# Allegro board AWR1243BOOST-Rev-A.brd (continued)
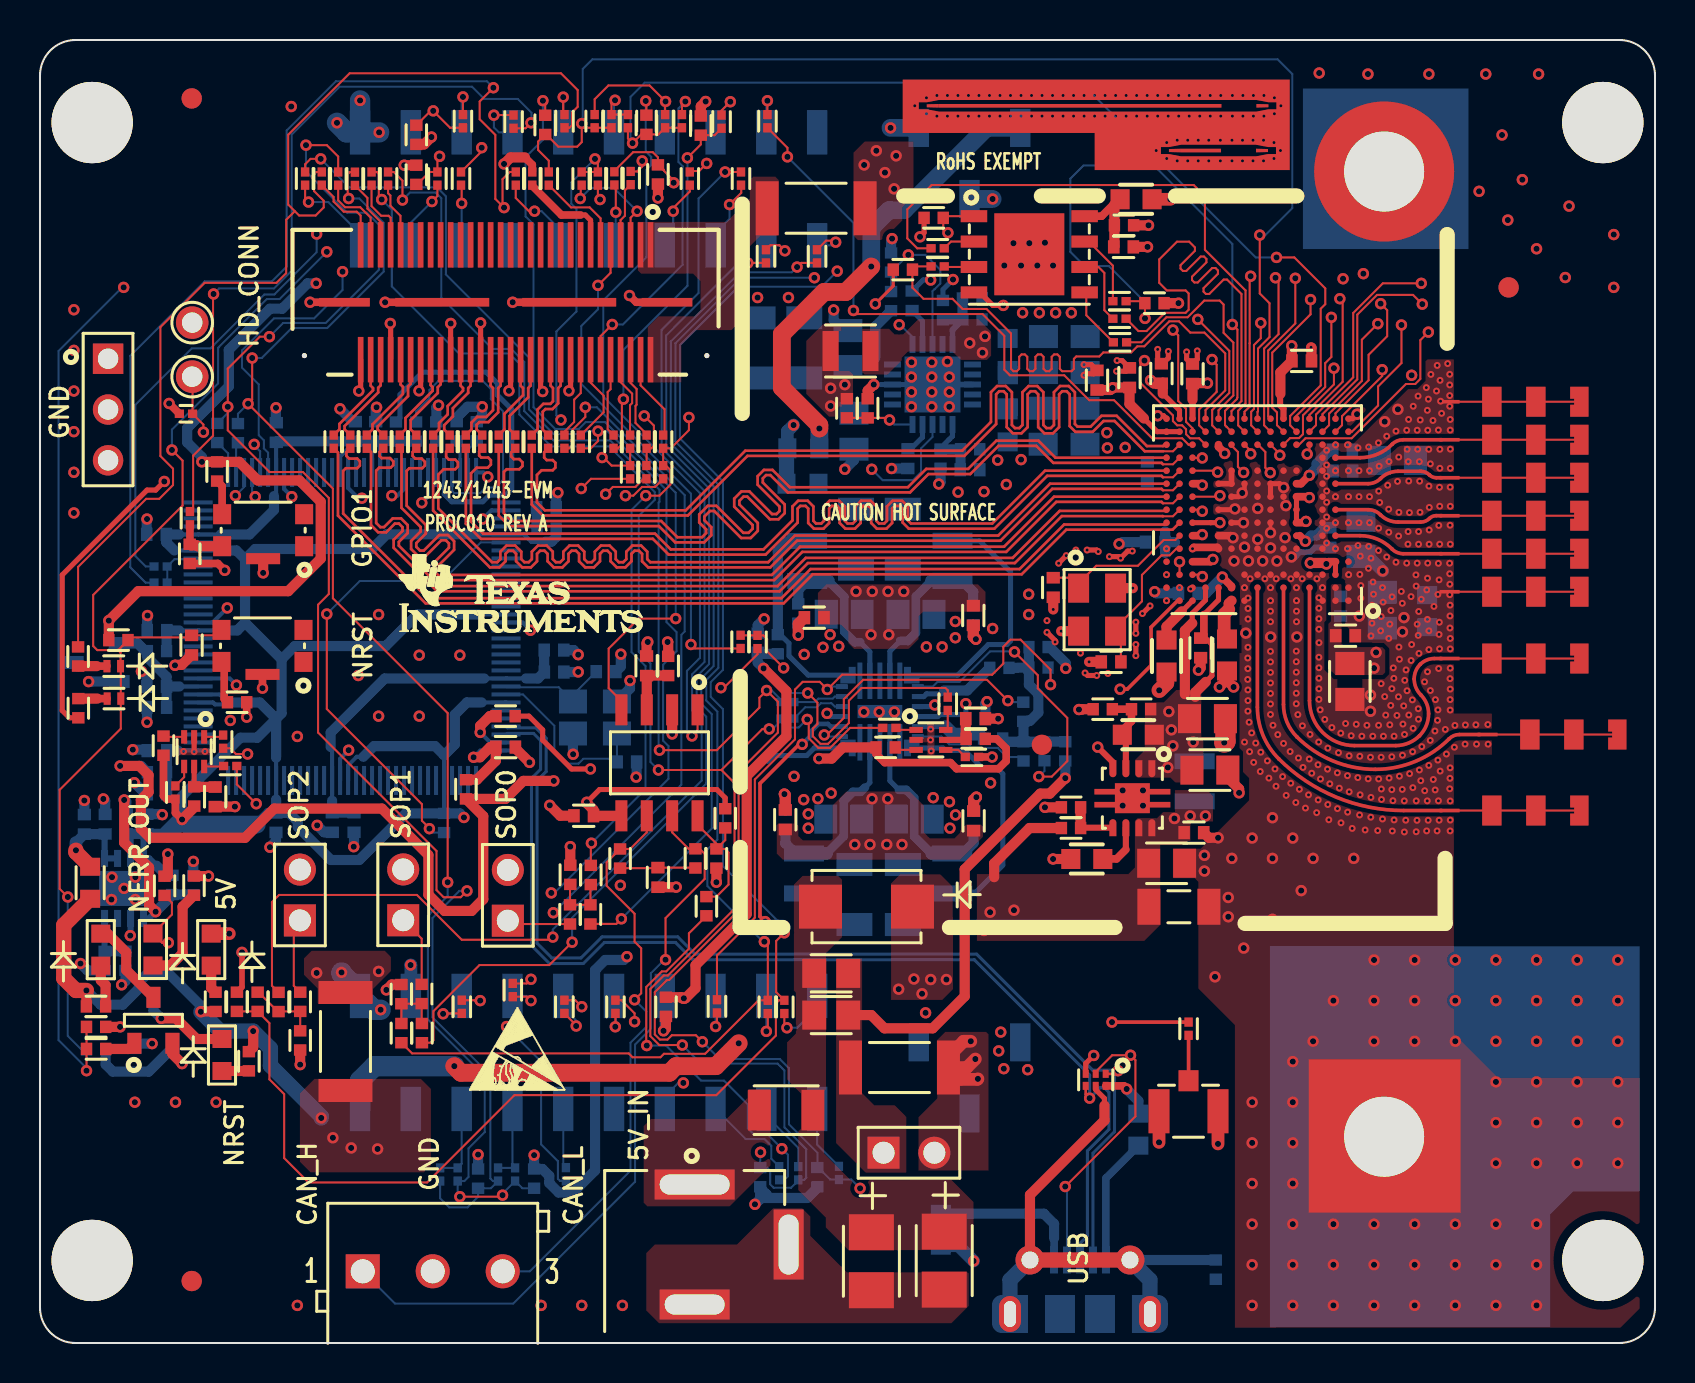
[diagram p0: board, top side]
## Nets (continued)
UNNAMED_25_P87524BRNFRQ1ES22P_4: R146.2 U8.5(SCL)
UNNAMED_25_P87524BRNFRQ1ES22P_5: R144.2 U8.6(SDA)
UNNAMED_25_P87524BRNFRQ1ES22PRE: R148.1 U8.15(EN2)
UNNAMED_33_CAPNONPOLARIZED_I75_: C16.2 R78.1 U3.3(VCC)
UNNAMED_33_CAPNONPOLARIZED_I77_: C24.2 R85.1 R87.2
UNNAMED_33_OSTTE030161_I26_1: J3.1 R85.2 U3.7(CANH)
UNNAMED_33_OSTTE030161_I26_3: J3.3 R87.1 U3.6(CANL)
UNNAMED_33_RESISTOR_I42_1: R86.1 R177.1 R178.2 U3.8(STB)
UNNAMED_34_1050170001_I95_1: J8.1 R161.1
UNNAMED_34_1050170001_I95_5: J8.5 R175.2
UNNAMED_34_1050170001_I95_G1: J8.G1 J8.G2 J8.G3 J8.G4 R174.2 U10.5(IO4)
UNNAMED_34_CAPNONPOLARIZED_I11_: C78.1 R156.1 R157.2 U9.5(FB)
UNNAMED_34_CAPNONPOLARIZED_I75_: C79.2 C80.2 R176.1 U9.1(IN1) U9.2(IN2)
UNNAMED_35_CAPNONPOLARIZED_I121: C49.2 R134.1 U6.68(VBAT)
UNNAMED_35_CAPNONPOLARIZED_I122: C70.2 U6.89(OSC1) Y2.3
UNNAMED_35_CAPNONPOLARIZED_I123: C63.2 U6.88(OSC0) Y2.1
UNNAMED_35_CAPNONPOLARIZED_I137: C71.2 R154.1 U6.96(PB1)
UNNAMED_35_CAPNONPOLARIZED_I139: C66.2 C67.2 R140.1 U6.9(VREFA+) U7.1(C)
UNNAMED_35_RESISTOR_I24_2: R125.2 U6.59(RBIAS)
UNNAMED_35_RESISTOR_I29_1: R155.1 U6.70(RST*)
UNNAMED_35_RESISTOR_I77_1: R126.1 U6.62(PK5)
UNNAMED_35_RESISTOR_I78_1: R127.1 U6.60(PK7)
UNNAMED_35_RESISTOR_I79_1: R124.1 U6.61(PK6)
UNNAMED_35_RESISTOR_I80_1: R123.1 U6.63(PK4)
UNNAMED_35_RESISTOR_I83_1: R152.1 U6.95(PB0)
UNNAMED_35_RESISTOR_I124_2: R128.2 U6.33(PA0)
UNNAMED_35_RESISTOR_I125_2: R129.2 U6.34(PA1)
UNNAMED_35_RESISTOR_I138_2: R135.2 R136.2 U6.25(PC4)
UNNAMED_37_RESISTOR_I1_1: R179.1 U11.3(ALERT)
UNNAMED_37_RESISTOR_I2_2: R180.2 U11.1(SCL)
UNNAMED_37_RESISTOR_I6_2: R181.2 U11.4(ADD0)
UNNAMED_37_RESISTOR_I7_1: R182.1 U11.6(SDA)
UNNAMED_37_RESISTOR_I8_1: C84.2 R183.1 U11.5(V+)
UNNAMED_37_RESISTOR_I9_1: R184.1 U12.3(ALERT)
UNNAMED_37_RESISTOR_I10_2: R185.2 U12.1(SCL)
UNNAMED_37_RESISTOR_I13_1: R186.1 U12.6(SDA)
UNNAMED_37_RESISTOR_I14_1: C85.2 R187.1 U12.5(V+)
UNNAMED_37_RESISTOR_I15_1: R188.1 U12.4(ADD0)
XDSET_1_DM: J8.2 U6.93(PL7) U10.1(IO1)
XDSET_1_DP: J8.3 U6.94(PL6) U10.4(IO3)
XDSET_1_ID: J8.4 R152.2 U10.2(IO2)
XDSET_1_VBUS: R151.1 R154.2 R161.2 U10.6(VCC)
XDSET_TCK: R70.2 U6.35(PA2)
XDSET_TDI: R30.2 U6.38(PA5)
XDSET_TDO: R71.2 U6.37(PA4)
XDSET_TMS: R69.2 U6.36(PA3)

Pads without a net: J1 15 17 19 21 23 25 27 29 31 33 35 37 39 41 43 45 47 49; J5 4 7 20; J6 3 11; NOREF#34 1; NOREF#80 1; NOREF#106 1; NOREF#109 1; NOREF#128 1; NOREF#131 1; NOREF#147 1; NOREF#148 1; NOREF#149 1; SW1 1 3; SW2 1 3; U2 B15 D1 D15; U5 9 17; U6 2 3 4 5 6 11 12 13 14 15 18 19 20 21 22 23 24 27 29 30 31 32 41 42 43 44 45 46 49 50 53 54 56 57 65 67 71 72 73 74 75 76 77 78 81 82 83 84 85 86 91 92 97 98 99 100 102 103 104 105 106 107 108 109 110 111 112 116 117 118 119 120 121 123 124 125 126 127 128; U7 3; U9 7

## Via types
v1: diameter 0.569, hole 0.31, TOP to BOTTOM, 635 vias
v2: diameter 0.35, hole 0.15, TOP to L2, 510 vias

## Routing (per net, layer and track width the routed paths; a pad name or vN(x,y) marks a point on that pad's centre or on a via; arc(x,y) is an arc through that point)
3V3_BRD: length 165.1
  TOP w0.381: R183.2 47.85,30.21 48.32,29.73 48.32,29.1 47.94,28.71 45.84,28.71 45.54,29.02 42.25,29.02 41.81,29.45 R179.2 ; v1(7.11,26.17) 6.77,26.51 R188.2 6.34,27.2 6.18,27.36 R184.2
  TOP w0.508: v1(7.11,26.17) 7.71,26.78 R187.2 ; v1(38.96,29.22) 39.59,29.22 40.15,29.78 R179.2
  L3 w0.508: v1(21.2,26.28) 23.36,28.44 23.36,29.4 24.23,30.27 27.17,30.27 28.99,28.45 28.99,27.94 30.07,26.86 34.97,26.86 37.31,29.2 38.93,29.2 v1(38.96,29.22)
  BOTTOM w0.203: U6.8 8.99,32.43 9.32,32.1 9.32,32.03 9.22,31.93 8.76,31.93 8.66,32.03 U6.7 ; 22.09,32.03 23.31,32.03 U6.90 ; 11.81,45.03 U6.39 11.81,42.45 ; C42.2 15.01,44.32 U6.47 ; U6.79 21.94,36.43 ; 11.81,27.17 U6.122 11.81,29.27 ; U6.52 17.01,44.87 C41.2 16.61,44.9 U6.51 ; 9.05,40.43 U6.28 6.96,40.43 ; U6.113 15.41,28.88 15.84,29.31 16.17,29.31 ; 20.21,26.48 U6.101 20.21,29.39 ; 21.84,40.44 21.85,40.43 U6.69 24.21,40.43 24.58,40.05 25.29,40.05 ; 6.96,35.63 U6.16 9.02,35.63 ; 9.08,39.63 U6.26 6.72,39.63
  BOTTOM w0.213: 20.21,26.48 R155.2 ; 11.81,45.03 C43.2 ; 25.29,40.05 25.3,40.07 ; 11.81,42.45 11.7,42.34
  BOTTOM w0.305: 5.84,23.86 5.47,24.23 U9.4 5.18,25.27 5.37,25.46 ; U9.3 4.53,25.24 C78.2
  BOTTOM w0.508: 9.32,32.03 10.99,32.03 11.81,31.21 ; 16.17,29.31 16.71,29.85 19.75,29.85 20.21,29.39 20.75,29.93 20.75,31.42 21.36,32.03 22.09,32.03 ; 9.08,39.63 9.82,39.63 10.26,39.19 ; C76.2 11.43,26.51 10.84,25.92 ; C76.2 12.45,26.51 12.9,26.06 12.9,25.81 14.55,24.15 15.97,24.15 18.3,26.48 R155.2 21,26.48 v1(21.2,26.28) ; C76.2 11.81,26.52 11.81,27.17 ; R134.2 25.81,40.3 25.58,40.07 25.3,40.07 ; 11.81,29.27 11.81,31.21 ; 11.81,31.21 12.08,31.49 12.08,34.19 ; 11.81,31.21 10.86,30.26 10.03,30.26 7.11,27.34 v1(7.11,26.17) ; 9.02,35.63 9.87,35.63 10.26,36.02 ; 10.26,39.19 10.76,39.7 16.61,39.7 17.34,40.44 21.84,40.44 ; 10.26,39.19 10.26,36.02 ; R156.2 6.32,23.38 5.84,23.86 ; 12.08,34.19 12.74,34.85 17.29,34.85 18.87,36.43 21.94,36.43 ; 12.08,34.19 10.26,36.02 ; R140.2 6.33,35.61 C61.2 6.35,35.63 6.96,35.63 ; 9.05,40.43 10.47,40.43 11.7,41.66 11.7,42.34 ; 6.96,40.43 6.32,40.43 C50.2 6.32,40.03 6.72,39.63 ; R124.2 R127.2 16.8,45.1 C41.2 C42.2 11.87,45.09 C43.2 ; 6.39,25.46 C77.2 C78.2
  BOTTOM w0.889: 10.84,25.92 7.36,25.92 v1(7.11,26.17) 6.39,25.46
3V3_MON_XDS_1: length 2.7
  BOTTOM w0.305: U9.8 R159.2
  BOTTOM w0.508: R159.2 4.27,19.59 R158.2
5V_IN: length 46.9
  TOP w0.508: R78.2 31.42,35.05 v1(31.39,35.05) ; v1(10.66,15.6) 10.66,14.78 R117.2 ; v1(51.28,28.24) 50.5,27.47 50.03,27.47 46.25,23.69 46.25,17.34 44.65,15.74 42.23,15.74 41.57,16.4 FB1.2 ; v1(2.32,17.63) R103.2 ; v1(8.05,16.56) 8.1,16.56 8.1,16.58 R100.2
  TOP w0.762: R176.2 1.19,20.89 1.19,18.24 1.8,17.63 v1(2.32,17.63)
  BOTTOM w0.508: v1(2.32,17.63) 3.03,16.92 4.13,16.92 4.95,17.73 4.95,18.04 5.45,18.55 6.36,18.55 8.05,16.87 v1(8.05,16.56) ; R149.2 51.28,28.25 v1(51.28,28.24)
  BOTTOM w0.762: v1(14.07,11.25) 14.07,11.33 11.53,13.87 11.53,14.73 v1(10.66,15.6) 9.01,15.6 v1(8.05,16.56)
  vias: v1(14.65,10.26) v1(15.56,9.75) v1(16.88,9.7) v1(41.22,58.9) v1(41.83,59.61) v1(42.26,58.52) v1(42.72,57.71) v1(42.82,59.36)
5V_UNREG: length 8.5
  TOP w0.635: R118.2 45.43,14.33 46.2,15.09 v1(46.55,15.09) ; R118.2 46.03,13.18 46.88,13.18 v1(46.91,13.21) ; R118.2 46.36,13.77 v1(46.78,14.2)
  BOTTOM w0.254: U8.18 44.9,31.32 45,31.42 46.11,31.42 C68.2 v1(46.3,31.97)
  vias: v1(38.2,27.17) v1(38.42,26.45) v1(38.42,25.74) v1(38.91,27.22) v1(39.16,34.79) v1(39.52,35.42) v1(39.57,27.5) v1(39.95,34.84) v1(44.33,34.81) v1(44.67,27.27) v1(45.12,34.81) v1(45.49,27.06) v1(45.51,25.74) v1(45.78,36.08) v1(45.78,35.26) v1(45.79,26.4)
+3.3VD: length 238.6
  TOP w0.152: v1(41.78,51.96) 42.68,52.85 R43.2
  TOP w0.254: R38.2 44.22,55.51 v1(44.01,55.31) ; v1(27.35,27.04) 27.98,27.67 33.85,27.67 34.27,27.25 R178.1
  TOP w0.305: 57.64,47.17 57.64,47.17 U2.R13
  TOP w0.508: v1(58.39,47.99) 57.66,47.99 C5.2 57.64,47.17 ; v1(8.1,44.06) R68.2 9.96,44.06 10.89,43.13 12.98,43.13 14.04,42.06 14.04,39.22 12.42,37.59 4.91,37.59 v1(3.44,36.12) R74.2 ; R15.2 v1(30.91,57.25) ; R37.2 v1(55.44,55.89) ; R90.2 v1(8.43,23.35) ; v1(27.35,27.04) 27.35,26.99 27.68,26.65 C20.2 27.69,26.36 U3.5 ; v1(19.58,60.3) 19.21,59.93 R14.2 ; v1(6.39,24.45) 6.39,23.37 6.23,23.37 R91.2 ; R16.2 v1(18.22,58.89) ; R41.2 v1(56.94,51.99)
  L3 w0.508: v1(44.01,55.31) 44.01,55 44.7,54.32 45.97,54.32 49.32,57.67 53.66,57.67 v1(55.44,55.89) 56.08,55.89 56.94,55.03 v1(56.94,51.99) ; v1(35.76,6.93) 35.76,8.24 34.42,9.58 24.89,9.58 v1(24.71,9.39) 21.94,9.39 v1(21.91,9.42) ; v1(37.69,45.9) 37.69,47.33 41.78,51.42 v1(41.78,51.96) ; 9.44,23.35 9.48,23.39
  L3 w0.635: v1(8.43,23.35) 9.44,23.35
  L3 w0.762: v1(29.36,19.32) 29.36,19.53 27.48,21.41 27.48,22.71 26.71,23.47 23.58,23.47 P4.2
  L3 w0.889: P4.2 23.4,24.96 24.29,25.84 26.16,25.84 v1(27.35,27.04) ; v1(6.39,24.45) 7.05,25.11 8.65,25.11 8.83,25.29 ; v1(3.44,36.12) 3.78,35.78 3.78,33.17 4.67,32.28 6.19,32.28 8.73,29.74 8.73,25.4 8.83,25.29 ; 8.83,25.29 10.46,23.67
  L3 w1.016: 9.48,23.39 10.18,23.39 10.46,23.67 P3.2 13.01,23.68 P2.2 18.61,24.12 22.93,24.12 P4.2
  L4 w0.508: 43.83,56.58 43.71,56.45 42.68,56.45 41.79,55.56 41.79,54.84 42.87,53.76 42.87,53.04 v1(41.78,51.96) ; 43.83,56.58 43.83,60.99 43.17,61.65 38.4,61.65 36.37,59.61 36.37,57.58 33.6,54.81 31.77,54.81 30.8,55.78 30.8,57.15 v1(30.91,57.25) 30.02,58.14 27.58,58.14 25.58,60.14 22.89,60.14 22.43,60.59 19.87,60.59 v1(19.58,60.3) 19.58,60.25 v1(18.22,58.89) 17.69,58.37 13.05,58.37 12.54,57.86 12.54,54.25 v1(13.81,52.98) ; 43.83,56.58 44.01,56.4 v1(44.01,55.31) ; v1(56.94,51.99) 56.95,52.01 58.25,52.01 58.78,51.47 58.78,50.46 59.63,49.61 59.63,48.62
  L4 w1.016: 59.63,48.62 59.01,47.99 v1(58.39,47.99)
  BOTTOM w0.508: v1(8.1,44.06) 8.1,44.3 7.36,45.03 7.36,45.75 9.44,47.83 9.44,49.66 11.5,51.71 12.11,51.71 13.38,52.98 v1(13.81,52.98) ; v1(24.71,9.39) R172.2 25.13,8.7 25.47,8.36 25.47,8 25.94,7.52 26.66,7.52 27.76,8.63 27.76,18.64 28.27,19.15 29.19,19.15 v1(29.36,19.32) ; R171.2 36.02,7.75 ; 36.02,7.75 36.34,7.43 36.34,7.25 ; 36.02,7.75 36.02,7.2 ; R173.2 v1(21.91,9.42) ; 36.02,7.2 36.07,7.25 36.34,7.25 ; 36.02,7.2 v1(35.76,6.93) ; 36.34,7.25 38.37,7.25 38.88,7.76 R170.2
  BOTTOM w0.635: R130.2 37.38,45.59 v1(37.69,45.9)
  BOTTOM w0.762: R133.2 37.34,44.69 R130.2
GND: length 161
  TOP w0.178: U2.G7 v1(61.54,40.52) ; U2.G7 61.54,41.02 ; U2.G7 61.54,41.02 ; 61.55,42.32 U2.J7 61.51,42.32
  TOP w0.229: v1(60.13,42.5) 60.24,42.62 U2.K9
  TOP w0.254: v2(52.93,39.57) 52.85,39.65 v2(52.37,39.65) ; J1.60 16.04,47.69 v1(15.94,47.6) ; v2(55.9,49.68) 55.9,49.15 C4.1 56.15,48.97 56.43,49.25 v2(56.43,49.58) ; J1.24 25.04,47.68 v1(25.14,47.57) ; v2(54.63,39.6) 54.4,39.6 v2(54.04,39.24) 53.97,39.32 v2(53.49,39.32) ; U2.R1 65.64,46.22 v1(65.87,46.44) ; v1(17.52,50.98) 17.54,50.98 J1.54 ; v1(60.19,41.02) U2.G10 ; v2(52.22,48.39) 52.29,48.46 52.7,48.46 C7.1 52.58,48.92 v2(52.22,48.92) ; v1(55.9,46.36) 56.19,46.36 U2.R15 ; v1(22.04,51) J1.36 ; v2(55.52,36.86) v2(55.14,36.47) ; J1.18 26.54,47.69 v1(26.45,47.61) ; J1.48 19.04,47.69 v1(18.96,47.61) ; 54.49,48.76 C6.1 ; 54.49,48.76 54.12,49.12 v2(53.87,49.12) ; 54.49,48.76 54.32,48.59 v2(53.84,48.59) ; v2(51.33,39.37) v2(50.95,38.99) ; v1(20.54,50.98) 20.54,50.95 20.54,50.95 J1.42 ; v2(57.88,49.61) 57.88,49.19 C5.1 57.6,48.95 57.35,49.2 v2(57.35,49.56) ; v1(52.7,14.38) 52.3,13.98 U10.3 ; U2.J10 59.94,42.32 v1(60.13,42.5) ; v2(52.85,33.38) 52.39,33.38 v2(52.27,33.5) ; v2(54.81,34.92) v2(54.81,34.37) ; v1(62.2,42.77) 62.01,42.97 U2.K7 U2.J7 ; U1.4 47,52.53 47.66,51.88 v1(48.18,51.88) ; v2(50.36,35.53) 50.77,35.13 v2(50.77,35.05) ; v2(54.81,36.04) v2(54.81,35.48) ; v1(23.45,47.61) 23.54,47.69 J1.30 ; v1(59.76,41.7) 59.72,41.67 U2.H11 ; U2.L8 60.89,43.62 ; v2(7.71,29.57) U12.2
  TOP w0.279: U2.K11 U2.K10 U2.L10
  TOP w0.305: v1(52.9,29.79) 53.66,29.04 U4.4
  TOP w0.381: U2.F11 59.57,40.37 v1(59.67,40.26) ; R181.1 47.61,29.3 v1(47.62,29.3) ; v1(29.48,52.37) 29.82,52.04 J1.G1 ; v2(57.64,39.72) 57.71,39.78 58.88,39.78 U2.E11 ; J1.G2 v1(23.64,52.04) ; v1(6.46,46.98) C8.1 ; J1.G4 v1(13.51,52.04) ; J1.G3 v1(17.26,52.04) ; R79.1 v1(10.34,31.29) ; SW2.G v1(11.13,32.74) ; R73.1 8.9,38.98 v1(9.24,38.63)
  TOP w0.508: v1(7.11,13.97) 6.62,14.45 Q1.2 ; v1(6.75,33.88) 6.75,33.91 7.09,33.91 C11.1 ; C13.1 59.36,33.18 ; 59.36,33.18 v1(58.99,32.8) ; 59.36,33.18 59.36,33.13 v1(59.7,32.8) ; C19.1 59.41,28.27 59.97,27.7 v1(59.97,27.51) ; v1(30.4,35.05) 30.34,34.99 C16.1 ; v1(9.75,26.82) C85.1 ; C9.1 v2(50.68,36.68) ; C24.1 31.81,22.79 v1(31.82,22.8) ; R81.1 52.11,31.69 52.11,31.67 v1(51.96,31.67) ; C12.1 58.05,33.75 v1(57.94,33.64) ; R110.1 v1(4.01,15.81) ; v1(24.48,29.03) 23.78,29.74 C71.1 ; v2(63.57,49.78) 63.59,49.76 C3.1 ; R13.1 33.05,61.83 v1(33.29,62.08) ; R114.1 v1(13.01,13.92) ; v1(17.32,17.65) 17.59,17.92 R96.1 ; v1(31.62,30.45) 31.62,30.45 U3.2 ; C15.1 v2(52.47,34.06) ; C20.1 26.02,26.36 v1(25.5,26.89) ; v1(58.92,25.26) 58.46,25.26 C21.1 ; R83.2 v1(50.26,26.78) ; Y1.2 v2(51.07,35.59) ; v1(41.7,47.93) 41.4,47.62 R47.2 ; R88.1 v1(26.52,24.82) ; v1(33.83,23.04) 33.83,23.04 R86.2 ; SW1.G v1(11.16,38.51) ; v1(47.92,31.22) C84.1 ; v1(55.39,54.81) C2.1 ; v2(54.65,37.74) Y1.4 ; C22.1 v1(50.67,24.2)
  TOP w0.635: DS2.C v1(9.47,20.47) ; C1.1 v1(56.53,57.19) ; J2.G2 v1(58.92,9.96) ; J2.G1 v1(55.97,10.03)
  TOP w0.762: C14.1 56.34,33 v1(55.98,32.63)
  TOP w1.016: C17.1 59.29,30.08 v1(59.23,30.02)
  BOTTOM w0.203: U6.114 15.01,29.21 v1(15.44,29.64) ; U6.58 19.41,42.33 v1(19.09,42.01) ; U6.10 9.49,33.23 v1(9.82,32.89) ; v1(22.14,41.2) 22.57,41.63 U6.66 ; v1(9.37,36.75) 8.64,36.03 U6.17 ; v1(16.1,42.24) 15.92,42.24 15.41,42.75 U6.48 ; v1(24.53,35.64) 24.14,36.03 U6.80 ; v1(17.6,42.37) 17.88,42.37 18.21,42.7 U6.55 ; U6.64 22.18,43.53 v1(22.4,43.31)
  BOTTOM w0.254: C29.1 44.18,53.16 44.54,53.16 v1(44.55,53.15) ; U8.17 44.67,31.82 v1(44.75,31.9) ; v1(41.7,47.93) U5.3 U5.EP ; R121.1 45.16,52.67 v1(45.66,53.17) ; v1(39.36,31.48) 39.52,31.32 U8.4
  BOTTOM w0.279: U5.13 U5.EP
  BOTTOM w0.29: C51.1 63.76,39.78 63.54,39.55 63.52,39.55 63.51,39.55 63.06,39.55 63.05,39.55 63.03,39.55 62.78,39.3
  BOTTOM w0.305: v1(4.51,20.37) 4.53,20.37 U9.6 ; 62.78,39.3 v1(62.59,39.3)
  BOTTOM w0.508: v1(29.05,34.44) 29.05,33.82 C63.1 ; v1(26.92,33.55) 26.89,33.55 26.89,33.55 C64.1 ; C42.1 15.65,46.07 v1(15.01,46.71) ; Y2.4 26.65,29.44 v1(26.66,29.44) ; C50.1 5.34,41.2 v1(5.35,41.2) ; v1(4.64,29.67) 5.28,29.67 5.33,29.62 C69.1 ; v1(4.72,28.02) 5.3,27.44 R153.1 ; C68.1 47.28,31.98 v1(47.36,32.07) ; C67.1 v1(5.35,31.04) ; v1(40.25,43.69) 40.71,44.14 C40.1 ; v1(29.81,28.3) 29.84,28.3 C70.1 ; v1(55.75,37.57) 55.83,37.49 C56.1 ; v1(5.38,36.37) 5.36,36.37 C61.1 ; v1(42.61,55.22) 42.61,55.14 42.56,55.09 R119.1 ; Q2.2 v1(5.61,14.97) ; C80.1 v1(2.22,27.13) ; v1(53.97,39.95) 54.04,39.95 54.13,40.04 C53.1 ; C75.1 14.21,25.54 v1(13.86,25.88) ; R123.2 22.12,46.34 v1(22.12,46.81) 21.38,46.81 20.84,46.27 R126.2 ; v1(11.8,46.76) 11.8,46.75 11.8,46.04 C43.1 ; v1(5.07,33.58) 5.35,33.3 C66.1 ; R157.1 v1(7.67,24.08) ; v1(26.92,34.42) 26.69,34.65 C62.1 ; C32.1 40.22,50.62 39.69,51.14 v1(39.69,51.65) ; R132.1 45.04,43.04 v1(44.95,42.95) ; Y2.2 29.51,32.73 v1(29.51,33.12) ; U7.2 2.56,33.08 2.56,33.07 v1(2.43,33.07) ; C49.1 25.82,42.43 v1(25.9,42.52) ; R139.1 50.49,34.8 51.3,33.99 v1(51.3,33.73) ; v1(16.83,46.79) 16.79,46.74 C41.1 ; R158.1 4.28,18.1 v1(4.08,17.91) ; R125.1 19.82,46.77 v1(19.93,46.89) ; R138.1 35.89,35.89 v1(36.21,36.21) ; v1(11.5,24.79) 11.8,25.09 C76.1 ; v1(15.69,24.82) 15.71,24.82 C74.1 ; v1(3.17,27.2) 3.26,27.11 C79.1 ; C77.1 6.01,26.44 6.01,26.42 v1(6.12,26.42) ; C44.1 v1(42.59,43.72)
  BOTTOM w0.635: J6.4 18.55,18.9 v1(18.54,18.9) ; C52.1 66.43,39.33 v1(67.15,38.61) ; R175.1 45.93,4.86 v1(46.69,4.1)
  BOTTOM w0.889: J4.2 v1(47.64,57.2) ; J4.1 v1(42.54,60.76)
  BOTTOM w1.016: J5.2 15.33,60.53 v1(14.85,61.01) ; J5.2 v1(16.01,62.13) ; J5.2 v1(16.96,60.53)
  vias: v1(1.7,51.66) v1(1.7,49.63) v1(1.7,47.6) v1(1.7,45.57) v1(1.7,43.54) v1(1.7,41.5) v1(3.6,23.29) v1(3.58,22.17) v1(4.21,22.73) v1(4.74,12.04) v1(4.77,23.29) v1(4.77,22.17) v1(6.78,12.04) v1(8.81,12.04) v1(9.52,31.13) v1(12.57,61.82) v1(12.87,30.33) v1(12.87,1.88) v1(15.92,33.38) v1(16.94,36.42) v1(16.94,31.34) v1(18.97,34.39) v1(18.97,31.34) v1(21,34.39) v1(25.06,1.88) v1(27.1,1.88) v1(29.03,22.89) v1(29.13,1.88) v1(35.89,52.27) v1(37.43,52.27) v1(37.71,28.33) v1(38.22,34.43) v1(40.75,24.93) v1(40.81,37.58) v1(41.21,31.55) v1(41.51,24.93) v1(41.62,37.58) v1(41.56,35.42) v1(41.61,27.21) v1(41.97,31.55) v1(42.35,24.93) v1(42.41,37.58) v1(42.45,35.42) v1(42.4,27.21) v1(42.73,31.55) v1(42.95,17.69) v1(43.11,24.93) v1(43.2,37.58) v1(43.59,49.04) v1(43.59,48.3) v1(43.59,47.55) v1(43.59,46.81) v1(43.71,18.2) v1(44.11,17.46) v1(44.29,16.51) v1(44.55,18.17) v1(44.6,49.04) v1(44.6,48.3) v1(44.6,47.55) v1(44.6,46.81) v1(45.33,18.17) v1(45.38,49.07) v1(45.48,48.3) v1(45.48,47.55) v1(45.48,46.81) v1(47.54,28) v1(47.64,35.73) v1(47.9,44.15) v1(48.23,53.87) v1(48.69,54.99) v1(49.07,53.87) v1(49.14,51.51) v1(49.07,44.17) v1(49.45,37.44) v1(49.45,36.42) v1(49.48,54.99) v1(49.88,53.87) v1(49.98,51.51) v1(50.26,55.02) v1(50.67,53.87) v1(50.79,51.51) v1(51.58,51.51) v1(53.36,45.52) v1(53.38,44.75) v1(54.15,27.63) v1(54.15,26.87) v1(54.27,44.78) v1(55.16,27.63) v1(55.16,26.87) v1(58.24,24.38) v1(58.24,23.6) v1(58.77,18.31) v1(59.43,22.28) v1(59.43,21.31) v1(59.61,24.23) v1(59.72,39.1) v1(60.24,39.79) v1(60.2,19.75) v1(60.31,35.49) v1(60.44,39.1) v1(60.62,25.25) v1(60.62,12.04) v1(60.62,10.01) v1(60.62,7.98) v1(60.62,5.94) v1(60.62,3.91) v1(60.62,1.88) v1(60.9,41.73) v1(60.9,40.19) v1(61.15,39.1) v1(61.54,39.76) v1(61.55,35.3) v1(61.64,26.26) v1(61.64,24.23) v1(61.64,21.18) v1(61.86,39.1) v1(62.31,41.87) v1(62.27,40.27) v1(62.66,25.25) v1(62.66,14.07) v1(62.66,12.04) v1(62.66,10.01) v1(62.66,7.98) v1(62.66,5.94) v1(62.66,3.91) v1(62.66,1.88) v1(62.86,35.3) v1(63.08,22.62) v1(63.67,24.23) v1(63.67,15.09) v1(63.98,63.5) v1(64.69,17.12) v1(64.69,5.94) v1(64.69,3.91) v1(64.69,1.88) v1(65.7,24.23) v1(65.98,36.35) v1(66.41,63.45) v1(66.54,32.4) v1(66.54,31.58) v1(66.72,19.15) v1(66.72,17.12) v1(66.72,15.09) v1(66.72,5.94) v1(66.72,3.91) v1(66.72,1.88) v1(67.25,46.07) v1(67.91,46.69) v1(68.14,35.56) v1(68.22,36.27) v1(68.75,19.15) v1(68.75,17.12) v1(68.75,15.09) v1(68.75,5.94) v1(68.75,3.91) v1(68.75,1.88) v1(69.46,63.45) v1(70.78,19.15) v1(70.78,17.12) v1(70.78,15.09) v1(70.78,5.94) v1(70.78,3.91) v1(70.78,1.88) v1(71.97,57.59) v1(72.31,63.45) v1(72.82,19.15) v1(72.82,17.12) v1(72.82,15.09) v1(72.82,13.06) v1(72.82,11.02) v1(72.82,8.99) v1(72.82,5.94) v1(72.82,3.91) v1(72.82,1.88) v1(73.12,60.4) v1(73.41,56.15) v1(74.14,58.17) v1(74.85,54.71) v1(74.85,19.15) v1(74.85,17.12) v1(74.85,15.09) v1(74.85,13.06) v1(74.85,11.02) v1(74.85,8.99) v1(74.85,5.94) v1(74.85,3.91) v1(74.85,1.88) v1(74.95,63.45) v1(76.28,53.27) v1(76.47,56.85) v1(76.88,19.15) v1(76.88,17.12) v1(76.88,15.09) v1(76.88,13.06) v1(76.88,11.02) v1(76.88,8.99) v1(78.71,55.42) v1(78.71,52.78) v1(78.91,19.15) v1(78.91,17.12) v1(78.91,15.09) v1(78.91,13.06) v1(78.91,11.02) v1(78.91,8.99) v2(7.18,29.58) v2(8.25,29.58) v2(43.75,61.86) v2(44.33,62.26) v2(44.33,61.46) v2(44.55,30.7) v2(44.54,30.16) v2(44.57,29.6) v2(44.86,62.38) v2(44.86,61.35) v2(45.38,62.38) v2(45.38,61.35) v2(45.91,62.38) v2(45.91,61.35) v2(46.44,62.38) v2(46.44,61.35) v2(46.96,62.38) v2(46.96,61.35) v2(47.49,62.38) v2(47.49,61.35) v2(48.01,62.38) v2(48.01,61.35) v2(48.54,62.38) v2(48.54,61.35) v2(49.06,62.38) v2(49.06,61.35) v2(49.59,62.38) v2(49.59,61.35) v2(50.12,62.38) v2(50.12,61.35) v2(50.36,36.12) v2(50.64,62.38) v2(50.64,61.35) v2(51.17,62.38) v2(51.17,61.35) v2(51.69,62.38) v2(51.69,61.35) v2(51.81,39.65) v2(52.04,34.49) v2(52.22,62.38) v2(52.22,61.35) v2(52.74,62.38) v2(52.74,61.35) v2(53.27,62.38) v2(53.27,61.35) v2(53.41,33.48) v2(53.8,62.38) v2(53.8,61.35) v2(54.32,62.38) v2(54.32,61.35) v2(54.85,62.38) v2(54.85,61.35) v2(55.37,62.38) v2(55.37,61.35) v2(55.82,59.62) v2(55.9,62.38) v2(55.9,61.35) v2(56.35,60.02) v2(56.35,59.23) v2(56.34,39.72) v2(56.34,38.42) v2(56.34,37.12) v2(56.42,62.38) v2(56.42,61.35) v2(56.95,62.38) v2(56.95,61.35) v2(56.88,60.14) v2(56.88,59.11) v2(56.99,37.77) v2(57.4,60.14) v2(57.4,59.11) v2(57.48,62.38) v2(57.48,61.35) v2(57.54,37.7) v2(57.93,60.14) v2(57.93,59.11) v2(58,62.38) v2(58,61.35) v2(58.45,60.14) v2(58.45,59.11) v2(58.53,62.38) v2(58.53,61.35) v2(59.05,62.38) v2(59.05,61.35) v2(59.03,60.14) v2(59.03,59.11) v2(59.64,62.38) v2(59.64,61.35) v2(59.62,60.14) v2(59.62,59.11) v2(60.14,60.14) v2(60.14,59.11) v2(60.16,62.38) v2(60.16,61.35) v2(60.24,37.77) v2(60.24,30.05) v2(60.42,37.25) v2(60.42,36.72) v2(60.42,36.2) v2(60.41,34.79) v2(60.4,34.25) v2(60.41,33.72) v2(60.4,33.18) v2(60.41,32.65) v2(60.41,32.12) v2(60.41,31.59) v2(60.53,38.21) v2(60.47,31.04) v2(60.5,29.57) v2(60.6,30.51) v2(60.69,62.38) v2(60.69,61.35) v2(60.67,60.14) v2(60.67,59.11) v2(60.7,29.03) v2(60.8,30) v2(61.06,29.54) v2(61.03,28.58) v2(61.21,62.38) v2(61.21,61.35) v2(61.19,60.14) v2(61.19,59.11) v2(61.26,38.21) v2(61.39,29.11) v2(61.54,37.77) v2(61.54,37.12) v2(61.54,36.59) v2(61.54,36.06) v2(61.54,34.58) v2(61.54,34.06) v2(61.54,33.53) v2(61.54,33) v2(61.54,32.48) v2(61.54,31.95) v2(61.54,31.43) v2(61.46,28.24) v2(61.74,62.26) v2(61.74,61.46) v2(61.72,60.02) v2(61.72,59.23) v2(61.66,30.89) v2(61.83,38.21) v2(61.77,28.7) v2(61.82,27.84) v2(61.91,30.42) v2(62.04,59.62) v2(62.06,61.86) v2(62.15,28.32) v2(62.19,29.98) v2(62.33,27.38) v2(62.52,29.57) v2(62.55,27.99) v2(62.56,38.21) v2(62.84,37.77) v2(62.84,37.12) v2(62.84,36.59) v2(62.84,36.06) v2(62.83,34.59) v2(62.83,34.07) v2(62.83,33.54) v2(62.83,33.01) v2(62.83,32.49) v2(62.83,31.96) v2(62.81,27.03) v2(62.91,31.42) v2(62.94,29.25) v2(62.99,27.69) v2(63.13,38.21) v2(63.14,30.86) v2(63.17,28.78) v2(63.29,26.75) v2(63.44,27.41) v2(63.52,30.43) v2(63.48,29.2) v2(63.6,28.49) v2(63.85,26.52) v2(63.86,38.21) v2(63.95,30.05) v2(63.92,28.91) v2(63.93,27.15) v2(63.96,37.26) v2(63.96,36.74) v2(63.96,36.22) v2(63.96,35.69) v2(63.97,35.02) v2(63.96,34.29) v2(63.96,33.76) v2(63.96,33.24) v2(63.96,32.71) v2(63.96,32.18) v2(64.03,31.66) v2(64.04,28.2) v2(64.14,37.77) v2(64.26,31.18) v2(64.35,44.64) v2(64.35,43.9) v2(64.35,43.34) v2(64.35,42.6) v2(64.35,42.04) v2(64.35,41.3) v2(64.35,40.74) v2(64.35,40) v2(64.41,29.74) v2(64.39,28.69) v2(64.41,26.92) v2(64.46,26.16) v2(64.51,27.96) v2(64.61,30.77) v2(64.8,44.9) v2(64.79,43.62) v2(64.79,42.32) v2(64.79,41.02) v2(64.79,39.72) v2(64.94,29.51) v2(64.89,28.51) v2(64.89,26.72) v2(65.06,30.49) v2(64.98,27.74) v2(65.07,26.01) v2(65.3,30.98) v2(65.39,44.9) v2(65.44,43.62) v2(65.44,42.32) v2(65.44,41.02) v2(65.39,39.72) v2(65.45,38.42) v2(65.39,28.37) v2(65.4,26.54) v2(65.47,29.36) v2(65.48,27.56) v2(65.58,30.37) v2(65.63,25.73) v2(65.83,30.94) v2(65.92,44.76) v2(65.92,39.87) v2(65.91,28.27) v2(65.97,43.62) v2(65.97,42.32) v2(65.97,41.02) v2(66.03,39.34) v2(66.01,38.43) v2(66.06,37.87) v2(66.06,37.24) v2(66.01,29.34) v2(66.02,27.41) v2(66,26.4) v2(66.11,30.34) v2(66.27,25.65) v2(66.45,44.8) v2(66.45,39.83) v2(66.44,38.73) v2(66.36,30.89) v2(66.43,28.21) v2(66.49,43.62) v2(66.49,42.32) v2(66.49,41.02) v2(66.54,29.29) v2(66.56,26.29) v2(66.57,39.24) v2(66.62,36.89) v2(66.62,35.99) v2(66.57,35.36) v2(66.66,30.34) v2(66.56,27.28) v2(66.67,38.05) v2(66.69,37.44) v2(66.94,45.01) v2(66.95,42.59) v2(66.95,40.74) v2(66.94,39.62) v2(66.95,30.89) v2(66.95,28.2) v2(66.9,25.62) v2(66.97,43.84) v2(67,42.03) v2(67.05,35.61) v2(67.14,37.77) v2(67.08,36.32) v2(67.08,32.97) v2(67.08,29.29) v2(67.09,27.7) v2(67.09,27.18) v2(67.14,26.2) v2(67.17,37.04) v2(67.25,32.32) v2(67.19,30.34) v2(67.35,45.34) v2(67.35,39.3) v2(67.3,31.4) v2(67.4,42.89) v2(67.45,41.69) v2(67.46,40.54) v2(67.46,35.23) v2(67.47,44.07) v2(67.51,35.94) v2(67.56,31.88) v2(67.51,30.91) v2(67.47,28.25) v2(67.62,37.31) v2(67.56,36.62) v2(67.61,32.72) v2(67.61,29.31) v2(67.61,27.67) v2(67.63,25.6) v2(67.68,33.76) v2(67.71,33.23) v2(67.72,30.34) v2(67.66,27.12) v2(67.72,26.15) v2(67.82,45.59) v2(67.82,39.04) v2(67.95,44.3) v2(67.9,43.08) v2(67.95,40.35) v2(67.94,32.31) v2(67.86,31.38) v2(67.96,41.53) v2(67.96,34.8) v2(67.99,34.19) v2(67.99,28.34) v2(68.08,37.58) v2(68.13,36.98) v2(68.14,29.39) v2(68.13,27.68) v2(68.26,33.13) v2(68.2,31.86) v2(68.16,30.95) v2(68.24,30.43) v2(68.23,27.11) v2(68.24,25.55) v2(68.35,45.64) v2(68.35,38.99) v2(68.32,33.66) v2(68.3,26.14) v2(68.45,46.18) v2(68.38,44.69) v2(68.43,44.07) v2(68.45,43.1) v2(68.42,40.57) v2(68.42,39.94) v2(68.37,32.61) v2(68.46,31.4) v2(68.49,41.52) v2(68.5,28.47) v2(68.57,37.32) v2(68.6,34.92) v2(68.57,34.12) v2(68.64,32.16) v2(68.65,29.57) v2(68.68,46.84) v2(68.68,30.73) v2(68.66,27.77) v2(68.81,38.41) v2(68.83,37.85) v2(68.83,27.11) v2(68.83,25.56) v2(68.92,47.35) v2(68.88,45.64) v2(68.9,44.69) v2(68.95,40.57) v2(68.95,39.94) v2(68.88,38.99) v2(68.95,36.58) v2(68.88,35.94) v2(68.93,35.38) v2(68.93,31.71) v2(68.94,31.19) v2(68.87,26.13) v2(69.03,46.15) v2(68.99,44.07) v2(69,43.09) v2(69.02,41.54) v2(68.97,34.48) v2(68.99,28.65) v2(69.06,28.12) v2(69.08,37.19) v2(69.11,29.82) v2(69.25,33.06) v2(69.25,27.61) v2(69.34,47.77) v2(69.35,37.65) v2(69.35,25.61) v2(69.44,47.19) v2(69.39,46.63) v2(69.4,45.64) v2(69.46,44.68) v2(69.4,38.99) v2(69.39,38.24) v2(69.39,36.18) v2(69.39,33.56) v2(69.38,27.11) v2(69.43,26.14) v2(69.54,43.96) v2(69.47,42.84) v2(69.48,41.78) v2(69.48,40.65) v2(69.48,39.94) v2(69.46,35.61) v2(69.46,34.67) v2(69.54,32.62) v2(69.53,30.13) v2(69.46,28.88) v2(69.56,48.43) v2(69.67,46.13) v2(69.72,36.83) v2(69.68,28.18) v2(69.84,47.6) v2(69.79,32.17) v2(69.76,30.6) v2(69.78,27.65) v2(69.88,48.88) v2(69.94,45.65) v2(69.96,40.88) v2(69.94,38.98) v2(69.91,37.43) v2(69.95,33.72) v2(69.91,31.66) v2(69.89,31.13) v2(69.91,29.14) v2(69.94,27.11) v2(69.87,25.61) v2(70.02,48.13) v2(70.05,47.09) v2(70.01,44.69) v2(70.01,43.74) v2(69.99,42.79) v2(70,41.84) v2(70,39.94) v2(69.97,38.16) v2(69.99,36.04) v2(69.97,35.43) v2(70,34.71) v2(70.03,28.6) v2(69.98,26.14) v2(70.1,46.48) v2(70.28,30.68) v2(70.34,29.45) v2(70.4,48.97) v2(70.5,48.44) v2(70.5,47.9) v2(70.5,47.37) v2(70.5,46.84) v2(70.53,46.18) v2(70.53,45.64) v2(70.53,44.69) v2(70.53,43.74) v2(70.53,42.79) v2(70.53,41.84) v2(70.52,40.89) v2(70.53,39.94) v2(70.5,38.99) v2(70.5,38.46) v2(70.51,37.94) v2(70.5,37.42) v2(70.52,36.89) v2(70.52,36.35) v2(70.52,35.75) v2(70.53,35.23) v2(70.53,34.7) v2(70.53,33.74) v2(70.52,33.22) v2(70.53,32.69) v2(70.52,32.17) v2(70.53,31.65) v2(70.52,28.76) v2(70.52,28.23) v2(70.5,27.71) v2(70.53,27.1) v2(70.53,26.15) v2(70.52,25.61) v2(70.74,29.79) v2(70.77,30.88) v2(71.29,30.9) v2(71.27,29.94) v2(71.81,30.91) v2(71.85,29.94) v2(72.41,30.92) v2(72.42,29.94)